# Altium PCB stencil V2.0.PcbDoc (part 2 of 4)
Units mm, origin at the board's own origin, x right, y up, seen from the top; angles counter-clockwise.
Board outline 50 x 79.06 mm, 2 copper layers (Top Layer, Bottom Layer); 235 components, 68 nets, 1097 pads, 384 vias.
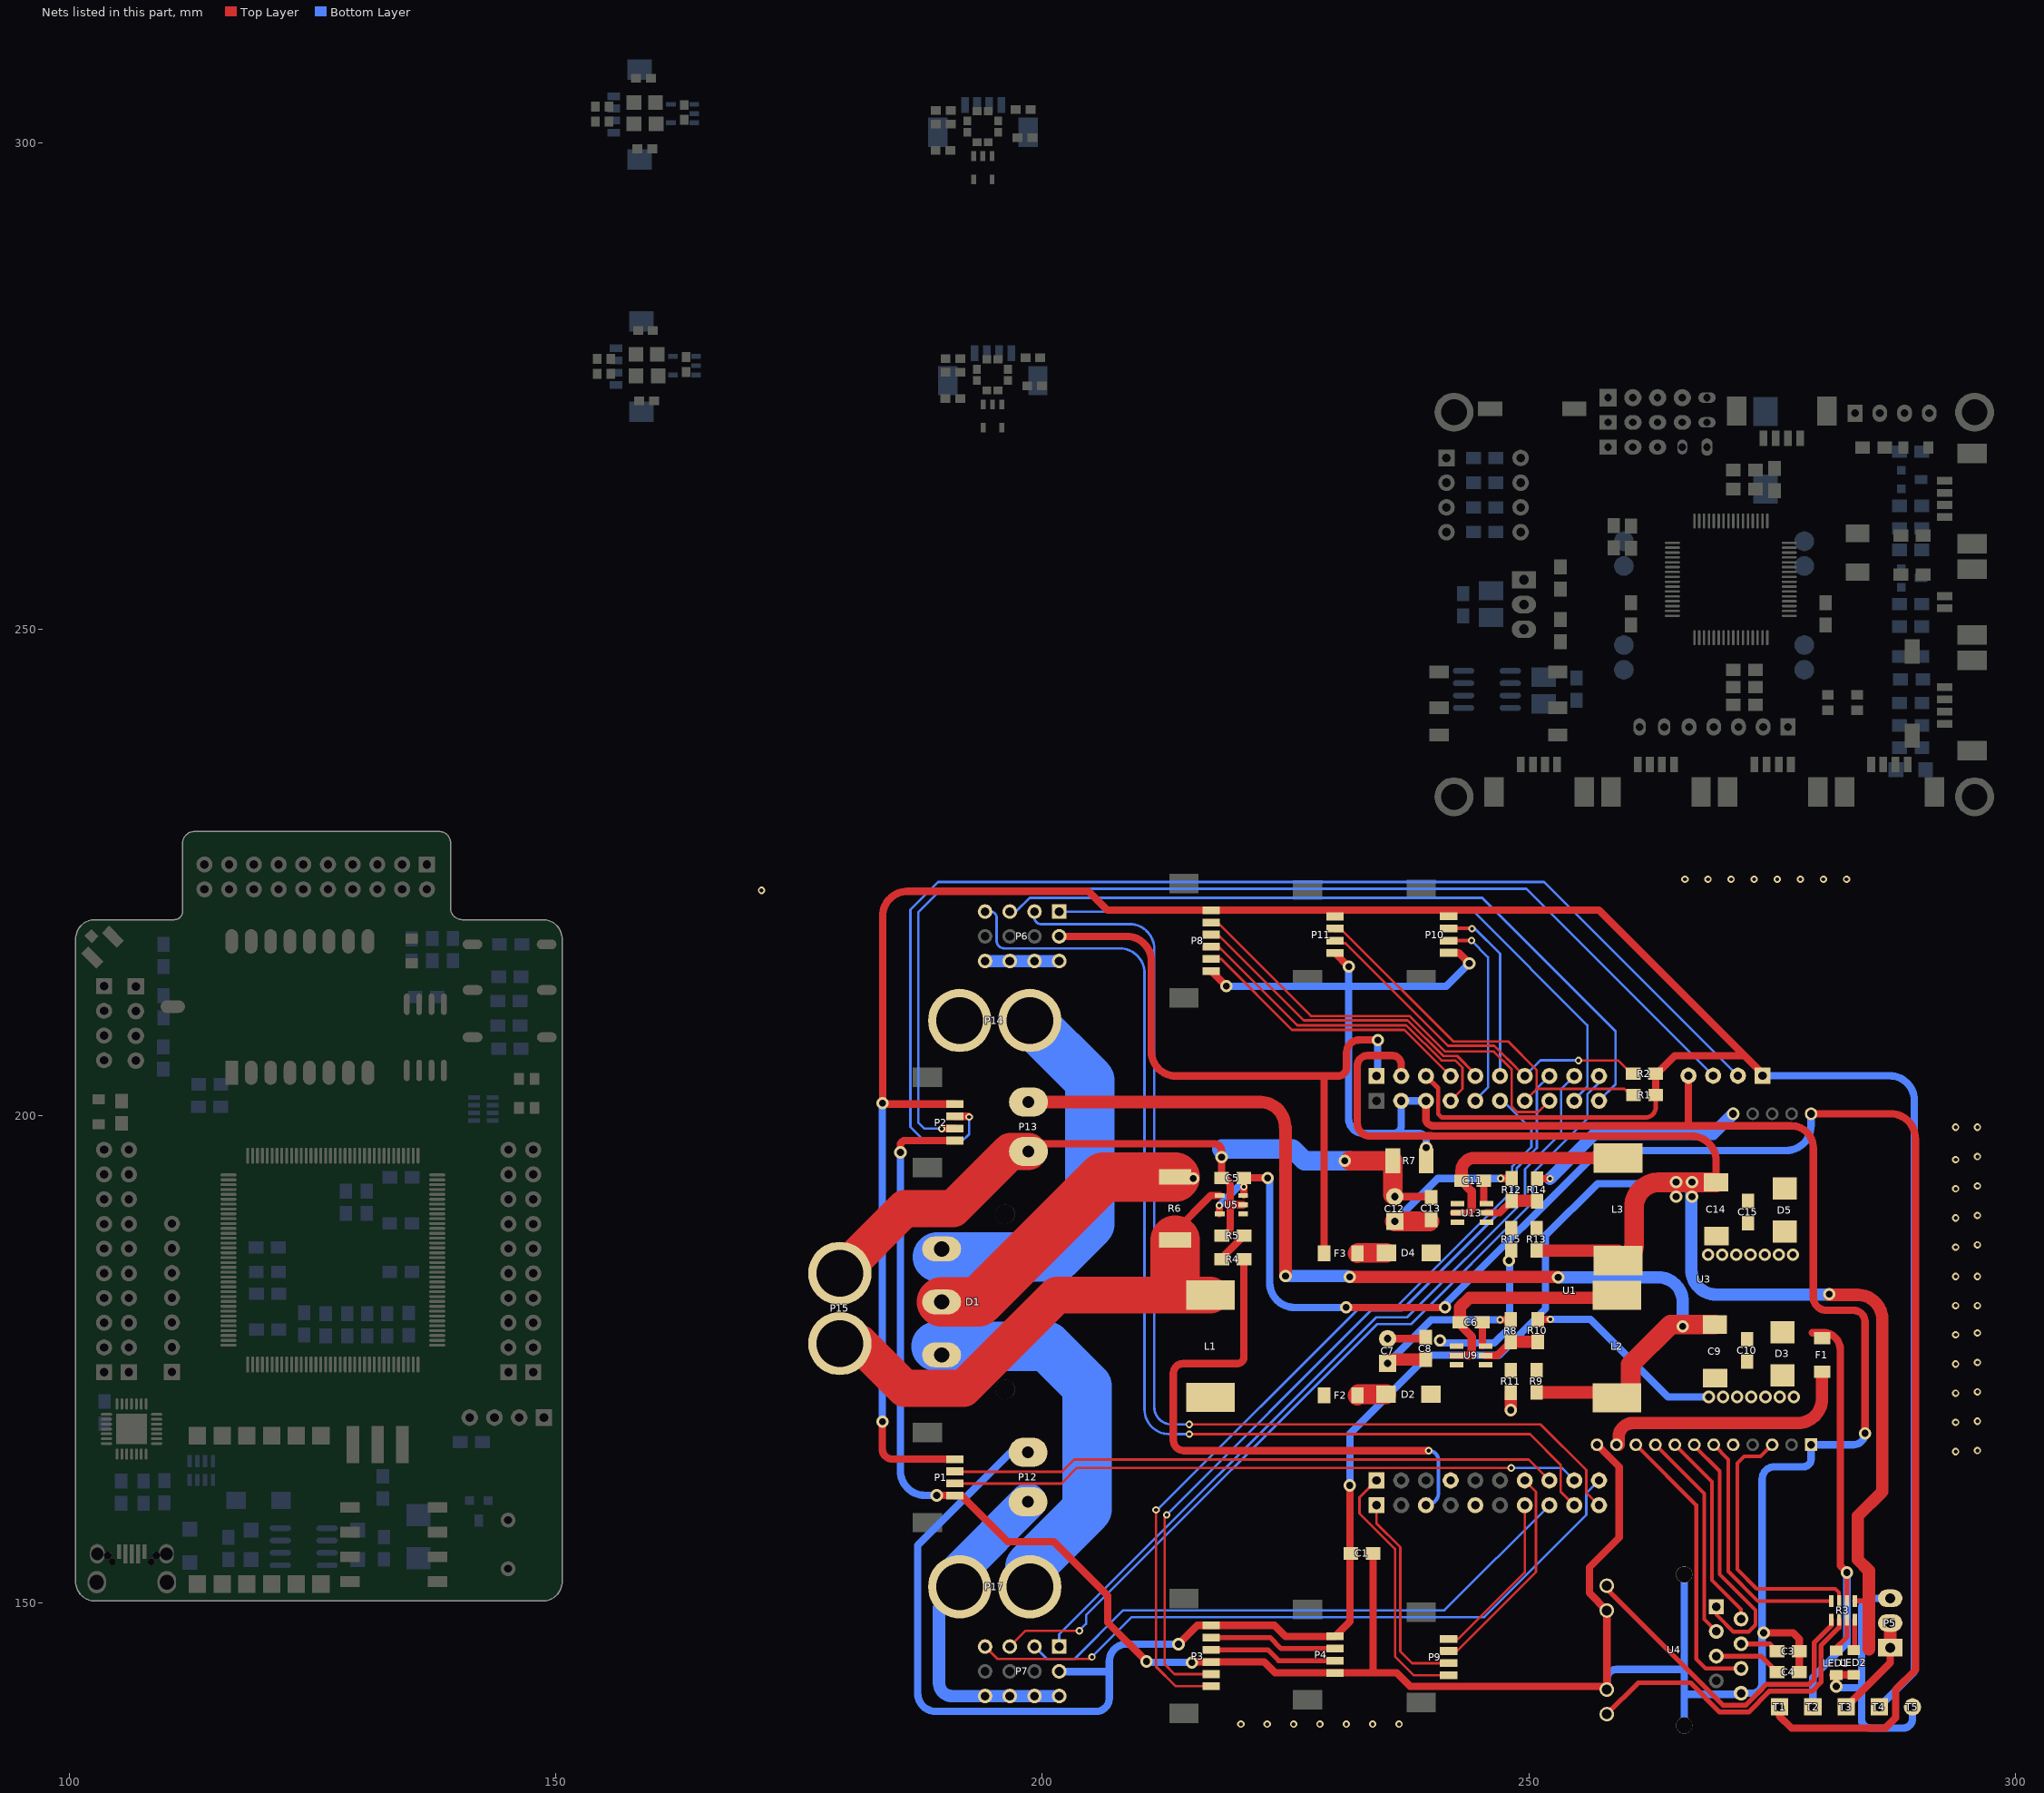
[diagram p2: the nets of this part, all layers, seen from the top]

## Part data
1: library part JMU_LOGO, "LOGO"
B: library part 蜂鸣器
C1 C1_2 C1_2_1 C1_3 C1_4 C2 C2_1 C2_1_1 C2_2 C2_4 C3 C3_2 C3_2_1 C3_3 C3_4 C4 C4_1 C5 C5_1 C6 C6_1 C7_1 C8 C8_1 C10 C11 C13 C13_1 C15 C22 C23 C26 CM1 CM2 CM3 CM4 CM5 CM6 CM7 CM8 CM9 CM10 CM11 CM12 CM13: library part Cap1, "无极贴片电容"
C1_1 C3_1 C9 C14 MC3_1: library part "Pol Cap", "极性贴片电容"
C1_6 C2_6: library part CAP, "无极性电容"
C7 C12: library part Cap3, "直插极性电容"
C9_1 C10_1 C11_1 C12_1 C14_1 C15_1 C16 C17 C18 C19 C20 C21 C24 C25: library part C1
D1_1 D2 D2_1 D3 D4 D5: library part Diode, "二极管"
F1 F1_1 F2 F3: library part Fuse, "保险丝"
J: library part MX1.25-2P
J1: library part IPX天线座
J1_2 J1_3: library part MX1.25-4P_1
J1_4 J2 J3 J4 J5 J6 J10: library part MX1.25-4P
K1: library part 轻触按键, "轻触开关"
K1_2 K2_2: library part KEY
K2 K3: library part Key(两脚贴片)
L1 L2 L3: library part L, "电感"
LED1 LED1_1 LED2 LED2_1: library part LED, "发光二极管"
LED1_2: "发光二极管"
LOGO: "LOGO"
MC1 MC2_1: library part TCAP, "钽电容"
P1 P2 P4 P9 P10 P11: library part 接线端子-4PIN, "4PIN"
P1_1 P7_1 P9_1: library part "Header 4", "排针"
P1_3: library part XH3
P2_1: library part 拨码开关4, "4位拨码开关"
P3 P8: library part 接线端子-6PIN, "6PIN"
P3_1: library part "Header 7", "排针"
P4_1 P5_1 P6_1: library part "Header 10X2"
P5: library part 接线端子-3PIN, "3PIN"
P6 P7: library part "Header 4X3"
P11_2: "接口"
P12 P13 P17: library part 接线端子-2PIN, "2PIN"
P14: library part 电源端子
P19: library part "Female HDR1X7"
Q1: library part NPN, "NPN三极管"
Q1_3 Q2_1: "NPN三极管"
R1 R1_2 R1_2_1 R1_3 R1_4 R1_6 R2 R2_2 R2_2_1 R2_3 R2_4 R2_6 R3_3 R4 R4_3 R5 R5_1 R5_3 R6 R6_3 R7 R7_3 R8 R9 R10 R11 R11_1 R12 R12_1 R13 R13_1 R14 R14_1 R15 R15_1 R16: library part Res, "电阻"
R1_1 R3_1 R4_1 R6_1 R7_1 R9_1 R10_1: library part R1
R2_1 R3 R8_1: library part Res-4, "排阻"
R9_3 R10_3 R11_3 R12_3 R13_3 R14_2 R15_3 R16_3 R17_1 R18_1: library part RES
T1 T2 T3 T4 T5: library part 测试点, "测试点"
U0 U2_1: "3.3V电源芯片"
U1: library part ROV_Controler
U1_1: library part STM32F407ZET6
U1_2 U1_2_1: library part MS5837-02BA
U1_3 U1_4: library part SPL13-001_1
U1_6: library part TM4C123GH6PM, "MCU"
U2: library part "Raspberry Pi 外框"
U3: library part 电力载波模块6410
U4_1: "USB接口"
U5_1: library part 9轴加速度计
U6_1: "FLASHоƬ"
U?: "USB转串口芯片"
X1: library part XTAL三脚贴片晶振
X1_3: library part XTAL, "晶振"

## Free pads (board coordinates)
  round 4 hole 2.65: 0(242.294,232.782) 0(242.294,272.282) 0(295.794,232.782) 0(295.794,272.282)

## Via types
v1: diameter 0.559, hole 0.305, Top Layer to Bottom Layer, 68 vias
v2: diameter 0.762, hole 0.406, Top Layer to Bottom Layer, 67 vias
v3: diameter 1.27, hole 0.711, Top Layer to Bottom Layer, 50 vias
v4: diameter 0.559, hole 0.356, Top Layer to Bottom Layer, 42 vias
v5: diameter 0.711, hole 0.406, Top Layer to Bottom Layer, 27 vias
v6: diameter 0.61, hole 0.305, Top Layer to Bottom Layer, tented both sides, 24 vias
v7: diameter 0.762, hole 0.381, Top Layer to Bottom Layer, tented both sides, 21 vias
v8: diameter 0.635, hole 0.406, Top Layer to Bottom Layer, 16 vias
v9: diameter 0.635, hole 0.381, Top Layer to Bottom Layer, 16 vias
v10: diameter 1.016, hole 0.559, Top Layer to Bottom Layer, 15 vias
v11: diameter 0.762, hole 0.381, Top Layer to Bottom Layer, 14 vias
v12: diameter 1.27, hole 0.711, Top Layer to Bottom Layer, tented both sides, 9 vias
v13: diameter 1.016, hole 0.635, Top Layer to Bottom Layer, 5 vias
v14: diameter 0.762, hole 0.457, Top Layer to Bottom Layer, 3 vias
v15: diameter 1.016, hole 0.457, Top Layer to Bottom Layer, 2 vias
v16: diameter 0.914, hole 0.559, Top Layer to Bottom Layer, 2 vias
v17: diameter 0.9, hole 0.9, Top Layer to Bottom Layer, 2 vias
v18: diameter 0.914, hole 0.457, Top Layer to Bottom Layer, tented both sides, 1 vias

## Nets (pads, with @x,y where several pads share a name; then routed paths per layer and width w, separated by ;. In a path a pad name is that pad's centre, name@x,y a point inside that pad or via, vN(x,y) a via of type N, cw(c..) or ccw(c..) an arc to the next point about the centre after c; other vN are vias at no path point)
3.3V: P1.1 P2.1 P8.1 P10.1 P11.1 R1.1 R2.1 T4.1 U1.18 U1.61 | length 292.6
  Top Layer w0.457: 240.653,202.858 240.676,202.835 240.676,200.192 241.046,199.822 261.957,199.822 ccw(c261.957,200.895) 263.03,200.895 R1.1@263.03,202.128
  Top Layer w0.508: U1.18@239.419,204.092 240.653,202.858
  Top Layer w0.762: v3(183.566,168.58) 183.566,165.76 ccw(c184.598,165.76) 184.598,164.728 P1.1@190.999,164.728 ; P2.1@190.999,201.203 183.684,201.203 cw(c183.684,201.295) v3(183.591,201.295) 183.591,220.523 cw(c186.131,220.523) 186.131,223.063 204.749,223.063 206.691,221.122 P8.1@217.364,221.122 257.211,221.122 272.161,206.172 ; P10.1@241.748,220.507 242.298,221.056 ; R2.1@263.005,204.338 R2.1@263.03,204.338 ; R1.1@263.03,202.128 R2.1@263.03,204.338 ; U1.61@274.01,204.12 274.01,204.323 272.161,206.172 ; R2.1@263.03,204.338 263.164,204.338 264.998,206.172 272.161,206.172
  Bottom Layer w0.762: v3(183.566,168.58) 183.566,201.27 v3(183.591,201.295) ; U1.61@274.01,204.12 287.06,204.12 cw(c287.06,201.58) 289.6,201.58 289.6,142.871 T4.1@285.998,139.268
5.0V: C1.2 C14.1 C15.2 D5.2 L3.2 P3.1 P4.1 P5.1 P5.2 P7.2 P12.1 R3.1 R13.2 T3.1 U1.19 | length 316.4
  Top Layer w0.508: R3.1@283.477,150.165 284.85,150.165 284.937,150.078
  Top Layer w0.762: v3(213.995,145.72) 215.919,147.644 P3.1@217.364,147.644 223.856,147.644 224.979,146.521 P4.1@230.064,146.521 231.597,148.054 v3(231.597,162.027) ; U1.19@236.879,204.092 236.879,205.262 ccw(c235.943,205.262) 235.943,206.197 233.434,206.197 ccw(c233.434,205.122) 232.359,205.122 232.359,199.246 ccw(c233.688,199.246) 233.688,197.917 238.915,197.917 238.941,197.942 239.951,197.942 239.976,197.917 266.699,197.917 cw(c266.699,195.377) 269.239,195.377 C14.1@269.239,193.167 ; T3.1@282.588,139.268 287.12,143.8 P5.1@287.12,145.355
  Top Layer w1.27: R13.2@250.804,186.17 L3.2@259.156,186.17 ; v3@280.848,181.61 283.769,181.61 cw(c283.769,179.07) 286.309,179.07 286.309,161.392 283.794,158.877 283.794,154.407 284.937,153.264 284.937,150.078 284.937,145.186 ; P5.1@287.12,145.355 P5.2@287.12,147.895
  Top Layer w2.032: L3.2@259.156,185.135 ccw(c259.156,186.786) 260.688,186.17 ccw(c259.156,186.786) 260.807,186.786 260.807,190.627 cw(c263.347,190.627) 263.347,193.167 C14.1@269.239,193.167
  Bottom Layer w0.762: P12.1@198.525,165.423 196.741,165.423 187.198,155.88 187.198,140.665 ccw(c189.052,140.665) 189.052,138.811 205.537,138.811 ccw(c205.537,140.157) 206.883,140.157 206.883,142.9 ; P7.2@201.735,142.926 ccw(c201.76,142.926) 201.76,142.9 206.883,142.9 ; v3(213.995,145.72) 208.636,145.72 ccw(c208.636,143.967) 206.883,143.967 206.883,142.9 ; v3(231.597,162.027) 231.597,167.361 239.649,175.412 246.939,175.412 251.714,180.188 251.714,187.706 257.048,193.04 v3@266.624,193.04
  Bottom Layer w1.27: v3@266.7,192.634 266.7,184.175 ccw(c269.24,184.175) 269.24,181.635 282.194,181.635
  other v3: 280.848,181.686 265.125,191.694 266.751,191.694 265.125,193.192 266.751,193.192
12.0V: C9.1 C10.2 D3.2 F1.1 L2.2 P13.1 R3.3 R9.2 T2.1 | length 155.8
  Top Layer w0.508: R3.3@282.677,150.165 v3(282.677,153.086)
  Top Layer w0.762: 279.121,177.724 280.238,177.724 cw(c280.238,175.971) 281.991,175.971 281.991,153.772 v3(282.677,153.086)
  Top Layer w1.27: P13.1@198.574,201.416 222.402,201.416 cw(c222.402,198.876) 224.942,198.876 224.993,198.825 v3(224.993,183.54) ; v3(231.572,183.464) v3@253.009,183.464 ; R9.2@250.804,171.59 L2.2@260.452,171.59
  Top Layer w2.032: L2.2@260.452,171.59 260.452,174.447 264.566,178.562 C9.1@269.112,178.562
  Bottom Layer w0.762: T2.1@279.178,139.268 279.178,142.297 282.677,145.796 v3(282.677,153.086)
  Bottom Layer w1.27: v3(224.993,183.54) v3@231.343,183.54 ; v3(253.009,183.413) 263.271,183.413 cw(c263.271,180.873) 265.811,180.873 v3(265.811,178.384)
24.0V: F2.1 F3.1 L1.2 P6.2 U1.20 | length 69.5
  Top Layer w0.762: P6.2@201.735,218.44 208.66,218.44 cw(c208.66,215.9) 211.2,215.9 211.2,206.632 ccw(c213.74,206.632) 213.74,204.092 230.373,204.092 ccw(c230.373,204.987) 231.268,204.987 231.268,206.488 cw(c232.577,206.488) 232.577,207.797 v3(234.467,207.797) ; F3.1@228.955,185.877 228.955,204
  Bottom Layer w0.762: U1.20@234.339,204.092 234.467,204.221 v3(234.467,207.797)
BATTERY_24V: D1.1 P14.1 | length 40.6
  Bottom Layer w5.08: D1.1@189.2,185.5 201.5,185.5 204.9,188.9 204.9,203.611 P14.1@198.711,209.8
CAMERA_USB_D+: P3.3 P4.3 | length 13.2
  Top Layer w0.508: P3.3@217.364,145.144 223.156,145.144 224.279,144.021 P4.3@230.064,144.021
CAMERA_USB_D-: P3.2 P4.2 | length 13.2
  Top Layer w0.508: P3.2@217.364,146.394 223.406,146.394 224.529,145.271 P4.2@230.064,145.271
CURRENT_COLLECT(C1): R4.1 U1.43 | length 58.9
  Top Layer w0.762: R4.1@220.715,185.269 220.715,175.223 cw(c220.04,175.223) 220.04,174.549 214.478,174.549 ccw(c214.478,173.533) 213.462,173.533 213.462,166.689 ccw(c214.551,166.689) 214.551,165.6 v11(239.7,165.6)
  Bottom Layer w0.381: U1.43@239.419,159.994 ccw(c239.419,161.275) 240.7,161.275 240.7,164.6 ccw(c239.7,164.6) v11(239.7,165.6)
DGND: C1.1 C3.1 C4.1 P1.4 P2.4 P3.4 P4.4 P8.6 P10.4 P11.4 R7.2 U1.2 U1.3 U1.64 U3.1 U3.12 U4.8 U4.10 U4.11 U4.13 U4.14 | length 387.8
  Top Layer w0.762: v3(185.42,196.24) 185.42,196.995 cw(c185.877,196.995) 185.877,197.453 P2.4@190.999,197.453 ; v3(189.154,161.011) 190.967,161.011 cw(c190.967,160.978) P1.4@190.999,160.978 191.726,160.978 196.444,156.261 201.168,156.261 206.731,150.698 206.731,147.93 v3(210.718,143.942) ; v3(215.367,143.84) 215.421,143.894 P3.4@217.364,143.894 222.806,143.894 223.929,142.771 P4.4@230.064,142.771 236.4,142.771 237.795,141.376 257.69,141.376 U4.11@258.009,141.058 U4.10@258.009,149.186 256.21,150.985 256.21,153.619 259.283,156.693 259.283,163.918 U3.12@256.992,166.21 ; P8.6@217.364,214.872 v3(218.923,213.313) ; P11.4@230.064,216.731 v3(231.48,215.316) ; 233.985,142.771 C1.1@233.985,155.042 ; U1.3@239.419,201.542 239.419,199.646 ccw(c240.055,199.646) 240.055,199.009 240.089,198.975 276.944,198.975 cw(c276.944,196.698) 279.222,196.698 279.222,181.369 ccw(c280.581,181.369) 280.581,180.01 283.383,180.01 cw(c283.383,178.862) 284.531,178.862 v3(284.531,167.386) ; P10.4@241.748,216.757 242.78,216.757 v3(243.865,215.671) ; 266.39,199.009 U1.64@266.39,204.12 ; v3(274.117,146.888) 277.139,146.888 277.786,146.242 C3.1@277.786,145 C4.1@277.786,142.841
  Top Layer w1.27: R7.2@239.419,195.404 R7.2@239.446,195.377 v3(239.446,196.723)
  Bottom Layer w0.762: v3(185.42,196.24) 185.42,163.525 ccw(c187.935,163.525) 187.935,161.011 v3(189.154,161.011) ; v3(210.718,143.942) 210.718,144.094 210.972,143.84 v3(215.367,143.84) ; v3(218.923,213.313) 231.369,213.313 231.48,213.425 ; v3(231.48,215.316) 231.48,213.425 ; U1.3@239.419,201.542 U1.2@236.879,201.542 236.879,198.958 cw(c236.116,198.958) 236.116,198.196 ; v3(239.446,196.723) 239.446,197.434 ccw(c238.684,197.434) 238.684,198.196 236.116,198.196 ; v3(243.865,215.671) 241.507,213.313 231.48,213.313 ; U4.11@258.009,141.058 258.009,142.121 cw(c259.017,142.121) 259.017,143.129 265.862,143.129 ; U4.14@265.957,137.372 265.957,140.576 ; U4.13@265.957,152.872 265.957,140.576 ; v3(284.531,167.386) cw(c283.354,167.386) 283.354,166.21 U3.1@278.992,166.21 278.992,164.715 cw(c278.233,164.715) 278.233,163.957 275.26,163.957 ccw(c275.26,162.662) 273.964,162.662 273.964,141.732 cw(c272.914,141.732) 272.914,140.682 U4.8@271.799,140.682 cw(c271.681,140.682) 271.681,140.564 266.141,140.564 cw(c266.141,141.935) 265.957,140.576 ; 231.48,213.313 231.48,213.425 ; 231.48,213.313 231.48,199.729 ccw(c233.013,199.729) 233.013,198.196 236.116,198.196
EPHY_RX_N: U3.10 U4.6 | length 29.6
  Top Layer w0.381: U3.10@260.992,166.21 267.2,160.001 267.2,153.387 267.2,152.1 267.2,144.2 268.178,143.222 U4.6@271.799,143.222
EPHY_RX_P: U3.9 U4.3 | length 21.8
  Top Layer w0.381: U3.9@262.992,166.21 268,161.201 268,148.29 U4.3@269.259,147.032
EPHY_TX_N: U3.8 U4.2 | length 20.7
  Top Layer w0.381: U3.8@264.992,166.21 268.8,162.401 268.8,152.3 271.799,149.301 U4.2@271.799,148.302
EPHY_TX_P: U3.7 U4.1 | length 27
  Top Layer w0.381: U3.7@266.992,166.21 266.992,166.108 269.6,163.5 269.6,152.9 273.3,149.2 273.3,147.7 272.6,147 271,147 269.259,148.741 U4.1@269.259,149.572
GND: C5.1 C7.2 C8.1 C9.2 C10.1 C12.2 C13.1 C14.2 C15.1 D3.1 D5.1 LED1.2 LED2.2 P5.3 P6.3 P6.6 P6.9 P6.12 P7.3 P7.6 P7.9 P7.12 P12.2 P13.2 P14.2 P15.2 P17.2 R5.2 R7.1 R10.1 R11.1 R14.1 R15.1 T5.1 U3.13 U5.2 U9.1 U13.1 | length 217.7
  Top Layer w0.762: P13.2@198.574,196.336 199.367,197.129 217.674,197.129 cw(c217.674,196.383) 218.42,196.383 v3(218.42,195.738) C5.1@218.42,193.624 cw(c218.42,192.73) 219.314,192.73 219.314,190.373 ; R5.2@218.433,187.675 ccw(c218.433,188.556) 219.314,188.556 219.314,190.373 ; U5.2@220.63,190.866 219.807,190.866 ccw(c219.807,190.373) 219.314,190.373 ; C7.2@235.482,177.114 239.267,177.114 C8.1@239.394,177.241 ; C12.2@236.219,191.694 C13.1@239.877,191.694 ; R14.1@250.829,193.536 v11(252.158,193.536) ; R10.1@250.905,179.083 v11(252.196,179.083) ; LED1.2@281.23,142.57 LED2.2@283.389,142.57 ; v3(281.574,141.387) LED1.2@281.574,142.534
  Top Layer w1.27: v3(248.126,169.774) R11.1@248.126,171.564
  Top Layer w2.032: v3@231.597,195.377 R7.1@236.017,195.377 C12.2@236.017,191.896
  Top Layer w3.81: P15.2@179.197,183.813 185.833,190.449 190.83,190.449 196.717,196.336 P13.2@198.574,196.336
  Bottom Layer w0.762: v3@240.69,176.657 246.431,176.657 248.005,178.231 248.005,185.091 v3(247.955,185.141) ; v11(252.196,179.083) 256.324,179.083 264.287,171.12 v3(268.478,171.12) ; v3(281.574,141.387) ccw(c281.711,141.387) 281.711,141.249 284.175,141.249 ; P5.3@287.12,150.435 285.26,150.435 ccw(c285.26,149.35) 284.175,149.35 284.175,141.249 ; T5.1@289.408,139.268 289.408,138.024 cw(c288.493,138.024) 288.493,137.109 285.064,137.109 cw(c285.064,137.998) 284.175,137.998 284.175,141.249
  Bottom Layer w1.27: P17.2@191.511,151.613 189.382,149.484 189.382,141.732 ccw(c190.729,141.732) 190.729,140.386 P7.12@194.115,140.386 P7.9@196.655,140.386 P7.6@199.195,140.386 P7.3@201.735,140.386 ; P6.12@194.115,215.9 P6.9@196.655,215.9 P6.6@199.195,215.9 P6.3@201.735,215.9 ; v11(252.158,193.536) 256.768,198.145 268.928,198.145 U3.13@270.992,200.21
  Bottom Layer w2.032: 218.44,196.596 225.704,196.596 226.924,195.377 v3@231.597,195.377
  Bottom Layer w3.81: P17.2@191.511,151.613 191.511,153.329 P12.2@198.525,160.343
  other v2: 220.4,137.5 223.109,137.5 225.819,137.5 228.528,137.5 231.237,137.5 233.947,137.5 236.656,137.5 293.853,165.506 296.088,165.608 293.853,168.506 296.088,168.628 293.853,171.505 296.088,171.649 293.853,174.505 296.088,174.669 293.853,177.504 296.088,177.689 293.853,180.504 296.088,180.504 293.853,183.503 296.088,183.503 293.853,186.503 296.088,186.75 293.853,189.502 296.088,189.77 293.853,192.502 296.088,192.791 293.853,195.501 296.088,195.811 293.853,198.831 296.088,198.831 171.148,223.161 266.027,224.3 268.4,224.3 270.773,224.3 273.146,224.3 275.519,224.3 277.892,224.3 280.265,224.3 282.639,224.3
  other v3: 269.934,171.12 271.391,171.12 272.847,171.12 274.303,171.12 275.759,171.12 277.216,171.12 240.868,176.911 268.402,185.725 269.858,185.725 271.314,185.725 272.771,185.725 274.227,185.725 275.683,185.725 277.139,185.725 231.089,195.377
I2C_SCL(E10): P1.2 U1.53 | length 62.5
  Top Layer w0.254: P1.2@190.999,163.478 191.042,163.436 202.018,163.436 203.276,164.694 249.959,164.694 U1.53@252.109,162.544
I2C_SDA(E12): P1.3 U1.52 | length 64.9
  Top Layer w0.254: P1.3@190.999,162.228 201.954,162.228 203.556,163.83 v11(248.183,163.83)
  Bottom Layer w0.254: v11(248.183,163.83) 253.372,163.83 U1.52@254.659,162.544
IN_24V: C5.2 D1.2 R6.2 T1.1 U3.16 U5.3 U5.5 | length 202.1
  Top Layer w0.762: U5.5@218.2,189.946 v11(218.2,190.8) ; U5.3@220.7,191.886 v11(220.7,192.7) ; U5.3@220.706,191.892 C5.2@220.706,193.624 v3(223.164,193.624) ; v3(231.216,180.315) v3(241.376,180.315) ; T1.1@275.768,139.268 275.768,138.303 276.987,137.084 286.614,137.084 287.68,138.151 287.68,141.046 289.712,143.078 289.712,197.67 ccw(c287.172,197.67) 287.172,200.21 U3.16@278.992,200.21
  Top Layer w5.08: D1.2@189.648,180.883 193.431,180.883 206.271,193.723 R6.2@213.645,193.723
  Bottom Layer w0.762: v11(218.2,190.8) 220.1,192.7 v11(220.7,192.7) ; v3@223.368,193.624 223.368,182.855 ccw(c225.908,182.855) 225.908,180.315 v3(231.216,180.315) ; v3@241.236,180.48 257.2,196.444 276.452,196.444 ccw(c276.452,198.984) 278.992,198.984 U3.16@278.992,200.21
  other v3: 215.519,193.573
IO(D0): P11.2 R1.2 U1.7 | length 40
  Top Layer w0.254: P11.2@230.064,218.977 230.882,218.977 242.214,207.645 247.853,207.645 250.8,204.698 250.8,202.774 ; U1.7@249.569,201.542 250.8,202.774 ; R1.2@260.274,202.311 259.811,202.774 250.8,202.774
IO(D1): P11.3 R2.2 U1.14 | length 38
  Top Layer w0.254: P11.3@230.064,217.727 231.142,217.727 241.681,207.188 246.442,207.188 247.795,205.835 ; 247.811,205.85 U1.14@249.569,204.092 ; v2(255.092,205.689) 259.156,205.689 260.807,204.038 R2.2@261.087,204.038
  Bottom Layer w0.254: U1.14@249.569,204.092 251.191,205.715 v2@255.118,205.715
NetC3_2: C3.2 U4.4 | length 4
  Top Layer w0.508: U4.4@271.799,145.762 274.738,145.762 C3.2@275.5,145
NetC4_2: C4.2 U4.5 | length 6.9
  Top Layer w0.508: U4.5@269.259,144.492 273.849,144.492 C4.2@275.5,142.841
NetC6_1: C6.1 L2.1 U9.2 | length 23.8
  Top Layer w0.635: U9.2@242.087,175.377 243.803,175.377
  Top Layer w0.889: C6.1@242.925,178.511 244.144,177.292 244.144,175.717 cw(c243.803,175.717) 243.803,175.377
  Top Layer w1.27: C6.1@242.925,178.791 242.925,180.341 243.889,181.305 258.795,181.305 ccw(c258.795,181.565) L2.1@259.055,181.565
NetC6_2: C6.2 U9.6 | length 2.3
  Top Layer w0.762: U9.6@245.211,176.454 C6.2@245.211,178.791
NetC7_1: C7.1 C8.2 D2.2 R8.2 U9.3 | length 18.6
  Top Layer w0.762: v11(247.039,179.057) R8.2@248.126,179.057
  Top Layer w1.27: C7.1@235.482,174.574 cw(c235.863,174.574) 235.863,174.955 C8.2@239.394,174.955
  Bottom Layer w0.762: C7.1@235.482,174.574 239.965,179.057 v11(247.039,179.057)
NetC11_1: C11.1 L3.1 U13.2 | length 23.3
  Top Layer w0.635: U13.2@242.189,190.033 243.753,190.033 244.118,190.398
  Top Layer w0.889: C11.1@243.077,193.292 244.118,192.251 244.118,190.398
  Top Layer w1.27: C11.1@243.077,193.319 243.077,194.354 cw(c244.385,194.354) 244.385,195.662 L3.1@259.156,195.662
NetC11_2: C11.2 U13.6 | length 2.1
  Top Layer w0.762: U13.6@245.363,191.237 C11.2@245.363,193.319
NetC12_1: C12.1 C13.2 D4.2 R12.2 U13.3 | length 17.4
  Top Layer w0.762: v11(247.103,193.56) R12.2@248.228,193.56
  Top Layer w2.032: C12.1@236.219,189.154 C13.2@239.775,189.154
  Bottom Layer w0.762: C12.1@236.219,189.154 240.626,193.56 v11(247.103,193.56)
NetD2_1: D2.1 F2.2 | length 3
  Top Layer w2.032: F2.2@232.384,171.272 232.511,171.399 D2.1@235.33,171.399
NetD4_1: D4.1 F3.2 | length 3
  Top Layer w2.032: F3.2@232.384,185.877 232.434,185.928 D4.1@235.355,185.928
NetLED1_1: LED1.1 R3.4 | length 3.8
  Top Layer w0.508: LED1.1@281.23,145.11 281.31,145.11 282.677,146.477 R3.4@282.677,148.245
NetLED2_1: LED2.1 R3.2 | length 3
  Top Layer w0.508: LED2.1@283.477,145.197 R3.2@283.477,148.245
NetR3_6: R3.6 U4.12 | length 33.1
  Top Layer w0.508: U4.12@258.009,138.522 261.245,141.757 266.598,141.757 269.621,138.735 272.582,138.735 274.696,140.849 274.696,140.889 279.095,140.889 280.011,141.805 280.011,145.569 281.877,147.434 R3.6@281.877,148.245
NetR3_8: R3.8 U4.9 | length 34.6
  Top Layer w0.508: U4.9@258.009,151.722 258.009,151.388 269.951,139.446 272.237,139.446 272.254,139.462 272.304,139.462 273.647,140.805 273.647,140.845 274.401,141.6 278.8,141.6 279.3,142.1 279.3,145.864 281.077,147.64 R3.8@281.077,148.245
NetR4_2: R4.2 R5.1 U5.1 | length 3.2
  Top Layer w0.762: R4.2@218.429,185.385 R5.1@220.719,187.675
NetR8_1: R8.1 R10.2 U9.5 | length 6
  Top Layer w0.762: U9.5@245.544,175.377 246.732,175.377 R8.1@248.126,176.771
  Top Layer w1.27: R8.1@248.126,176.771 248.152,176.797 R10.2@250.905,176.797
NetR9_1: R9.1 R11.2 U9.4
NetR12_1: R12.1 R14.2 U13.5 | length 5.7
  Top Layer w0.762: U13.5@245.645,190.033 246.986,190.033 R12.1@248.228,191.274
  Top Layer w1.27: R12.1@248.228,191.274 R14.2@250.804,191.274
NetR13_1: R13.1 R15.2 U13.4
PLC_3.3V: R3.7 U3.6 | length 25.5
  Top Layer w0.381: U3.6@268.992,166.21 268.992,166.208 270.5,164.7 270.5,153.2 273.535,150.165 R3.7@281.077,150.165
PLC_12V: F1.2 U3.11 | length 26.7
  Top Layer w1.27: U3.11@259.218,166.21 259.218,166.968 cw(c260.677,166.968) 260.677,168.427 277.584,168.427 ccw(c277.584,170.967) 280.124,170.967 F1.2@280.124,173.721
PLC_ETH: R3.5 U3.3 | length 27.6
  Top Layer w0.381: U3.3@274.992,166.21 273.8,165.018 272.118,165.018 271.4,164.3 271.4,153.4 273.4,151.4 281.5,151.4 281.877,151.023 R3.5@281.877,150.165
PLC_PWR: U3.5
POWER_24V: D1.3 P17.1 | length 40.2
  Bottom Layer w5.08: D1.3@189.1,176.3 200.5,176.3 204.6,172.2 204.6,159.563 198.711,153.673 P17.1@198.711,151.613
SPI1_MISO(B4): P8.4 U1.4 | length 34.9
  Top Layer w0.254: P8.4@217.364,217.372 218.137,217.372 226.212,209.296 237.402,209.296 241.008,205.689 242.443,205.689 243.18,204.953 243.18,202.763 U1.4@241.959,201.542
SPI1_MOSI(B5): P8.5 U1.17 | length 29.6
  Top Layer w0.254: P8.5@217.364,216.122 218.371,216.122 225.654,208.839 237.212,208.839 U1.17@241.959,204.092
SPI1_NSS(A15): P8.2 U1.8 | length 45.5
  Top Layer w0.254: P8.2@217.364,219.872 217.999,219.872 227.609,210.261 237.73,210.261 241.388,206.604 246.38,206.604 248.234,204.749 248.234,200.939 248.787,200.387 250.953,200.387 U1.8@252.109,201.542
SPI1_SCK(B3): P8.3 U1.16 | length 33.3
  Top Layer w0.254: P8.3@217.364,218.622 218.03,218.622 226.847,209.804 237.541,209.804 241.198,206.146 242.632,206.146 244.494,204.285 U1.16@244.494,204.092
SWD_SCK: P2.3 U1.63 | length 116.2
  Top Layer w0.762: v11(189.662,198.679) 189.686,198.703 P2.3@190.999,198.703
  Bottom Layer w0.254: v11(189.662,198.679) 187.909,198.679 187.249,199.339 187.249,220.904 189.662,223.317 249.733,223.317 U1.63@268.93,204.12
SWD_SDO: P2.2 U1.62 | length 127
  Top Layer w0.762: P2.2@190.999,199.953 192.401,199.953 v11(192.481,199.873)
  Bottom Layer w0.254: v11(192.481,199.873) 192.481,198.12 191.77,197.409 187.884,197.409 186.436,198.857 186.436,221.183 189.281,224.028 251.562,224.028 U1.62@271.47,204.12
T24.0V: L1.1 P15.1 R6.1 U5.4 | length 55.8
  Top Layer w0.762: R6.1@213.645,187.246 213.645,188.145 217.316,191.816 U5.4@218.23,191.816
  Top Layer w3.81: P15.1@179.197,176.613 181.222,176.613 185.826,172.009 191.91,172.009 201.491,181.59 L1.1@217.272,181.59
  Top Layer w5.08: 213.645,182.372 R6.1@213.645,187.246
TIM1(E9): P7.4 U1.48 | length 60
  Bottom Layer w0.254: P7.4@199.195,145.466 200.46,144.2 203.3,144.2 208.3,149.2 241.315,149.2 U1.48@252.109,159.994
TIM1(E11): P6.10 U1.49 | length 116.1
  Top Layer w0.254: v2(215.1,167.3) 250.1,167.3 253.264,164.136 253.264,161.388 U1.49@254.659,159.994
  Bottom Layer w0.254: P6.10@194.115,220.98 194.683,220.98 cw(c194.683,220.363) 195.3,220.363 195.3,218 ccw(c196.1,218) 196.1,217.2 207.96,217.2 cw(c207.96,214.66) 210.5,214.66 210.5,169.84 ccw(c213.04,169.84) 213.04,167.3 v2(215.1,167.3)
TIM1(E13): P6.4 U1.50 | length 113.3
  Top Layer w0.254: v2(215.1,168.3) 251.2,168.3 ; 251.2,168.3 255.9,163.6 255.9,161.292 U1.50@257.199,159.994
  Bottom Layer w0.254: P6.4@199.195,220.98 199.195,220.353 ccw(c199.847,220.353) 199.847,219.7 208.96,219.7 cw(c208.96,217.16) 211.5,217.16 211.5,170.1 ccw(c213.3,170.1) 213.3,168.3 v2(215.1,168.3)
TIM1(E14): P7.10 U1.51 | length 72.5
  Top Layer w0.254: P7.10@194.115,145.466 195.38,144.2 204.9,144.2 v2(205.1,144.4)
  Bottom Layer w0.254: v2(205.1,144.4) 209.2,148.5 245.4,148.5 255.9,159 255.9,161.245 U1.51@257.199,162.544
TIM3(B0): P9.1 U1.47 | length 17.6
  Top Layer w0.254: P9.1@241.748,146.267 242.762,146.267 249.569,153.074 U1.47@249.569,159.994
TIM3(B1): P9.2 U1.54 | length 22.2
  Top Layer w0.254: P9.2@241.748,145.017 242.604,145.017 250.724,153.137 250.724,161.388 U1.54@249.569,162.544
TIM4(D12): P6.7 U1.10 | length 76.4
  Bottom Layer w0.254: P6.7@196.655,220.98 197.28,220.98 198.7,222.4 245.2,222.4 258.9,208.7 258.9,203.244 U1.10@257.199,201.542
TIM4(D13): P7.7 U1.11 | length 89
  Top Layer w0.254: P7.7@196.655,145.466 198.289,147.1 v2(203.8,147.1)
  Bottom Layer w0.254: v2(203.8,147.1) 204.5,147.8 204.5,148.7 234.4,178.6 237.9,178.6 250.4,191.1 250.4,194.1 256,199.7 256,202.2 257.199,203.399 U1.11@257.199,204.092
TIM4(D14): P6.1 U1.9 | length 67.4
  Bottom Layer w0.254: P6.1@201.735,220.98 244.32,220.98 256,209.3 256,202.983 254.659,201.641 U1.9@254.659,201.542
TIM4(D15): P7.1 U1.12 | length 82.4
  Bottom Layer w0.254: P7.1@201.735,145.466 201.735,146.735 234.3,179.3 237.5,179.3 249.6,191.4 249.6,194.5 253.3,198.2 253.3,202.734 U1.12@254.659,204.092
TIM10(F6): P9.3 U1.41 | length 21.5
  Top Layer w0.254: U1.41@234.339,159.994 234.339,158.117 236.779,155.677 236.779,144.983 237.995,143.767 P9.3@241.748,143.767
TIM11(F7): P9.4 U1.60 | length 26.6
  Top Layer w0.254: U1.60@234.339,162.544 232.588,160.793 232.588,159.156 236.245,155.499 236.245,144.475 238.203,142.517 P9.4@241.748,142.517
U1_RX(A10): U1.57
U1_TX(A9): U1.45
U5_RX(D2): P3.6 U1.6 | length 84.4
  Top Layer w0.254: P3.6@217.364,141.394 213.698,141.394 211.684,143.408 v2(211.684,159.516) ; v2(211.684,159.516) ccw(c211.6,159.516) 211.6,159.6 v2(211.684,159.516)
  Bottom Layer w0.254: v2@211.9,159.6 232.8,180.5 236.5,180.5 248.285,192.285 248.285,194.804 250.266,196.785 250.266,198.603 247.326,201.542 U1.6@247.034,201.542
U5_TX(C12): P3.5 U1.13 | length 83.8
  Top Layer w0.254: v2@212.573,159 212.573,143.662 213.591,142.644 P3.5@217.364,142.644
  Bottom Layer w0.254: v2(212.775,159) 233.775,180 236.9,180 248.742,191.842 248.742,194.615 250.825,196.698 250.825,202.809 U1.13@252.109,204.092
U6_RX(G9): P10.2 U1.15 | length 18.9
  Top Layer w0.381: P10.2@241.748,219.257 244.116,219.257 v11(244.145,219.227)
  Bottom Layer w0.254: v11(244.145,219.227) 244.45,219.227 247.034,216.643 U1.15@247.034,204.092
U6_TX(G14): P10.3 U1.5 | length 20.1
  Top Layer w0.381: P10.3@241.748,218.007 241.75,218.008 v11(244.094,218.008)
  Bottom Layer w0.254: v11(244.094,218.008) 245.796,216.306 245.796,202.921 244.494,201.618 U1.5@244.494,201.542
pads on no net: B1.1 B1.2 B.1 B.2 C1_1.1 C1_1.2 C1_2.1 C1_2.2 C1_2_1.1 C1_2_1.2 C1_3.1 C1_3.2 C1_4.1 C1_4.2 C1_6.1 C1_6.2 C2.1 C2.2 C2_1.1 C2_1.2 C2_1_1.1 C2_1_1.2 C2_2.1 C2_2.2 C2_4.1 C2_4.2 C2_6.1 C2_6.2 C3_1.1 C3_1.2 C3_2.1 C3_2.2 C3_2_1.1 C3_2_1.2 C3_3.1 C3_3.2 C3_4.1 C3_4.2 C4_1.1 C4_1.2 C5_1.1 C5_1.2 C6_1.1 C6_1.2 C7_1.1 C7_1.2 C8_1.1 C8_1.2 C9_1.1 C9_1.2 C10_1.1 C10_1.2 C11_1.1 C11_1.2 C12_1.1 C12_1.2 C13_1.1 C13_1.2 C14_1.1 C14_1.2 C15_1.1 C15_1.2 C16.1 C16.2 C17.1 C17.2 C18.1 C18.2 C19.1 C19.2 C20.1 C20.2 C21.1 C21.2 C22.1 C22.2 C23.1 C23.2 C24.1 C24.2 C25.1 C25.2 C26.1 C26.2 CM1.1 CM1.2 CM2.1 CM2.2 CM3.1 CM3.2 CM4.1 CM4.2 CM5.1 CM5.2 CM6.1 CM6.2 CM7.1 CM7.2 CM8.1 CM8.2 CM9.1 CM9.2 CM10.1 CM10.2 CM11.1 CM11.2 CM12.1 CM12.2 CM13.1 CM13.2 D1.0 D1_1.1 D1_1.2 D2_1.1 D2_1.2 F1_1.1 F1_1.2 J1.1 J1.2 J1.3 J1_2.0 J1_2.1 J1_2.2 J1_2.3 J1_2.4 J1_3.0 J1_3.1 J1_3.2 J1_3.3 J1_3.4 J1_4.0 J1_4.1 J1_4.2 J1_4.3 J1_4.4 J2.0 J2.1 J2.2 J2.3 J2.4 J3.0 J3.1 J3.2 J3.3 J3.4 J4.0 J4.1 J4.2 J4.3 J4.4 J5.0 J5.1 J5.2 J5.3 J5.4 J6.0 J6.1 J6.2 J6.3 J6.4 J10.0 J10.1 J10.2 J10.3 J10.4 J.0 J.1 J.2 J?.0 J?.1 J?.2 J?.3 J?.4 J?_1.0 J?_1.1 J?_1.2 J?_1.3 J?_1.4 K1.1 K1.2 K1_2.1 K1_2.3 K2.1 K2.2 K2_2.1 K2_2.3 K3.1 K3.2 L?.1 L?.2 L?.3 L?.4 LED1_1.1 LED1_1.2 LED1_2.1 LED1_2.2 LED2_1.1 LED2_1.2 MC1.1 MC1.2 MC2_1.1 MC2_1.2 MC3_1.1 MC3_1.2 OUT+.1 OUT+.2 OUT+.3 OUT+.4 P1.0 P1_1.1 P1_1.2 P1_1.3 P1_1.4 P1_3.1 P1_3.2 P1_3.3 P2.0 P2_1.1 P2_1.2 P2_1.3 P2_1.4 P2_1.5 P2_1.6 P2_1.7 P2_1.8 P2_3.1 P2_3.2 P2_3.3 P2_3.4 P3.0 P3_1.1 P3_1.2 P3_1.3 P3_1.4 P3_1.5 P3_1.6 P3_1.7 P4.0 P4_1.1 P4_1.2 P4_1.3 P4_1.4 P4_1.5 P4_1.6 P4_1.7 P4_1.8 P4_1.9 P4_1.10 P4_1.11 P4_1.12 P4_1.13 P4_1.14 P4_1.15 P4_1.16 P4_1.17 P4_1.18 P4_1.19 P4_1.20 P5_1.1 P5_1.2 P5_1.3 P5_1.4 P5_1.5 P5_1.6 P5_1.7 P5_1.8 P5_1.9 P5_1.10 P5_1.11 P5_1.12 P5_1.13 P5_1.14 P5_1.15 P5_1.16 P5_1.17 P5_1.18 P5_1.19 P5_1.20 P6.5 P6.8 P6.11 P6_1.1 P6_1.2 P6_1.3 P6_1.4 P6_1.5 P6_1.6 P6_1.7 P6_1.8 P6_1.9 P6_1.10 P6_1.11 P6_1.12 P6_1.13 P6_1.14 P6_1.15 P6_1.16 P6_1.17 P6_1.18 P6_1.19 P6_1.20 P7.5 P7.8 P7.11 P7_1.1 P7_1.2 P7_1.3 P7_1.4 P8.0 P9.0 P9_1.1 P9_1.2 P9_1.3 P9_1.4 P10.0 P11.0 P11_2.1 P11_2.2 P11_2.3 P11_2.4 P11_2.5 P11_2.6 P11_2.7 P11_2.8 P11_2.9 P11_2.10 P11_2.11 P11_2.12 P11_2.13 P11_2.14 P11_2.15 P19.1 P19.2 P19.3 P19.4 P19.5 P19.6 P19.7 Q1.1 Q1.2 Q1.3 Q1_3.B Q1_3.C Q1_3.E Q2_1.B Q2_1.C Q2_1.E R1_1.1 R1_1.2 R1_2.1 R1_2.2 R1_2_1.1 R1_2_1.2 R1_3.1 R1_3.2 R1_4.1 R1_4.2 R1_6.1 R1_6.2 R2_1.1 R2_1.2 R2_1.3 R2_1.4 R2_1.5 R2_1.6 R2_1.7 R2_1.8 R2_2.1 R2_2.2 R2_2_1.1 R2_2_1.2 R2_3.1 R2_3.2 R2_4.1 R2_4.2 R2_6.1 R2_6.2 R3_1.1 R3_1.2 R3_3.1 R3_3.2 R4_1.1 R4_1.2 R4_3.1 R4_3.2 R5_1.1 R5_1.2 R5_3.1 R5_3.2 R6_1.1 R6_1.2 R6_3.1 R6_3.2 R7_1.1 R7_1.2 R7_3.1 R7_3.2 R8_1.1 R8_1.2 R8_1.3 R8_1.4 R8_1.5 R8_1.6 R8_1.7 R8_1.8 R9_1.1 R9_1.2 R9_3.1 R9_3.2 R10_1.1 R10_1.2 R10_3.1 R10_3.2 R11_1.1 R11_1.2 R11_3.1 R11_3.2 R12_1.1 R12_1.2 R12_3.1 R12_3.2 R13_1.1 R13_1.2 R13_3.1 R13_3.2 R14_1.1 R14_1.2 R14_2.1 R14_2.2 R15_1.1 R15_1.2 R15_3.1 R15_3.2 R16.1 R16.2 R16_3.1 R16_3.2 R17_1.1 R17_1.2 R18_1.1 R18_1.2 S.1 S.2 S.3 S.4 S.5 S.6 SW.1 SW.2 SW.3 SW.4 SW.5 SW.6 SW.7 SW.8 U0.1 U0.2 U0.3 U0.4 U0.5 U0.6 U0.7 U0.8 U1.1 U1.42 U1.44 U1.46 U1.55 U1.56 U1.58 U1.59 U1_1.1 U1_1.2 U1_1.3 U1_1.4 U1_1.5 U1_1.6 U1_1.7 U1_1.8 U1_1.9 U1_1.10 U1_1.11 U1_1.12 U1_1.13 U1_1.14 U1_1.15 U1_1.16 U1_1.17 U1_1.18 U1_1.19 U1_1.20 U1_1.21 U1_1.22 U1_1.23 U1_1.24 U1_1.25 U1_1.26 U1_1.27 U1_1.28 U1_1.29 U1_1.30 U1_1.31 U1_1.32 U1_1.33 U1_1.34 U1_1.35 U1_1.36 U1_1.37 U1_1.38 U1_1.39 U1_1.40 U1_1.41 U1_1.42 U1_1.43 U1_1.44 U1_1.45 U1_1.46 U1_1.47 U1_1.48 U1_1.49 U1_1.50 U1_1.51 U1_1.52 U1_1.53 U1_1.54 U1_1.55 U1_1.56 U1_1.57 U1_1.58 U1_1.59 U1_1.60 U1_1.61 U1_1.62 U1_1.63 U1_1.64 U1_1.65 U1_1.66 U1_1.67 U1_1.68 U1_1.69 U1_1.70 U1_1.71 U1_1.72 U1_1.73 U1_1.74 U1_1.75 U1_1.76 U1_1.77 U1_1.78 U1_1.79 U1_1.80 U1_1.81 U1_1.82 U1_1.83 U1_1.84 U1_1.85 U1_1.86 U1_1.87 U1_1.88 U1_1.89 U1_1.90 U1_1.91 U1_1.92 U1_1.93 U1_1.94 U1_1.95 U1_1.96 U1_1.97 U1_1.98 U1_1.99 U1_1.100 U1_1.101 U1_1.102 U1_1.103 U1_1.104 U1_1.105 U1_1.106 U1_1.107 U1_1.108 U1_1.109 U1_1.110 U1_1.111 U1_1.112 U1_1.113 U1_1.114 U1_1.115 U1_1.116 U1_1.117 U1_1.118 U1_1.119 U1_1.120 U1_1.121 U1_1.122 U1_1.123 U1_1.124 U1_1.125 U1_1.126 U1_1.127 U1_1.128 U1_1.129 U1_1.130 U1_1.131 U1_1.132 U1_1.133 U1_1.134 U1_1.135 U1_1.136 U1_1.137 U1_1.138 U1_1.139 U1_1.140 U1_1.141 U1_1.142 U1_1.143 U1_1.144 U1_2.1 U1_2.2 U1_2.3 U1_2.4 U1_2_1.1 U1_2_1.2 U1_2_1.3 U1_2_1.4 U1_3.1 U1_3.2 U1_3.3 U1_3.4 U1_3.5 U1_3.6 U1_3.7 U1_3.8 U1_4.1 U1_4.2 U1_4.3 U1_4.4 U1_4.5 U1_4.6 U1_4.7 U1_4.8 U1_6.1 U1_6.2 U1_6.3 U1_6.4 U1_6.5 U1_6.6 U1_6.7 U1_6.8 U1_6.9 U1_6.10 U1_6.11 U1_6.12 U1_6.13 U1_6.14 U1_6.15 U1_6.16 U1_6.17 U1_6.18 U1_6.19 U1_6.20 U1_6.21 U1_6.22 U1_6.23 U1_6.24 U1_6.25 U1_6.26 U1_6.27 U1_6.28 U1_6.29 U1_6.30 U1_6.31 U1_6.32 U1_6.33 U1_6.34 U1_6.35 U1_6.36 U1_6.37 U1_6.38 U1_6.39 U1_6.40 U1_6.41 U1_6.42 U1_6.43 U1_6.44 U1_6.45 U1_6.46 U1_6.47 U1_6.48 U1_6.49 U1_6.50 U1_6.51 U1_6.52 U1_6.53 U1_6.54 U1_6.55 U1_6.56 U1_6.57 U1_6.58 U1_6.59 U1_6.60 U1_6.61 U1_6.62 U1_6.63 U1_6.64 U2_1.1 U2_1.2 U2_1.3 U2_1.4 U2_1.5 U2_1.6 U2_1.7 U2_1.8 U2_2.1 U2_2.2 U2_2.3 U2_2.4 U2_2.5 U2_2_1.1 U2_2_1.2 U2_2_1.3 U2_2_1.4 U2_2_1.5 U2_3.1 U2_3.2 U2_3.3 U2_3.4 U2_3.5 U2_4.1 U2_4.2 U2_4.3 U2_4.4 U2_4.5 U3.0 U3.2 U3.4 U3.14 U3.15 U4.7 U4.MH3 U4_1.0 U4_1.1 U4_1.2 U4_1.3 U4_1.4 U4_1.5 U4_1.6 U4_1.7 U4_1.8 U4_1.9 U5_1.1 U5_1.2 U5_1.3 U5_1.4 U5_1.5 U5_1.6 U5_1.7 U5_1.8 U5_1.9 U5_1.10 U5_1.11 U5_1.12 U6_1.1 U6_1.2 U6_1.3 U6_1.4 U6_1.5 U6_1.6 U6_1.7 U6_1.8 U7_1.1 U7_1.2 U7_1.3 U7_1.4 U7_1.5 U7_1.6 U7_1.7 U7_1.8 U7_1.9 U7_1.10 U7_1.11 U7_1.12 U7_1.13 U7_1.14 U7_1.15 U7_1.16 U7_1.17 U8_1.1 U8_1.2 U8_1.3 U8_1.4 U?.0 U?.1 U?.2 U?.3 U?.4 U?.5 U?.6 U?.7 U?.8 U?.9 U?.10 U?.11 U?.12 U?.13 U?.14 U?.15 U?.16 U?.17 U?.18 U?.19 U?.20 U?.21 U?.22 U?.23 U?.24 U?.25 U?.26 U?.27 U?.28 X1.1 X1.2 X1.3 X1_3.1 X1_3.2